# Allegro board A523-EVB-AXP717C-LPDDR4-4X-32X1-V1-0.brd (continued)
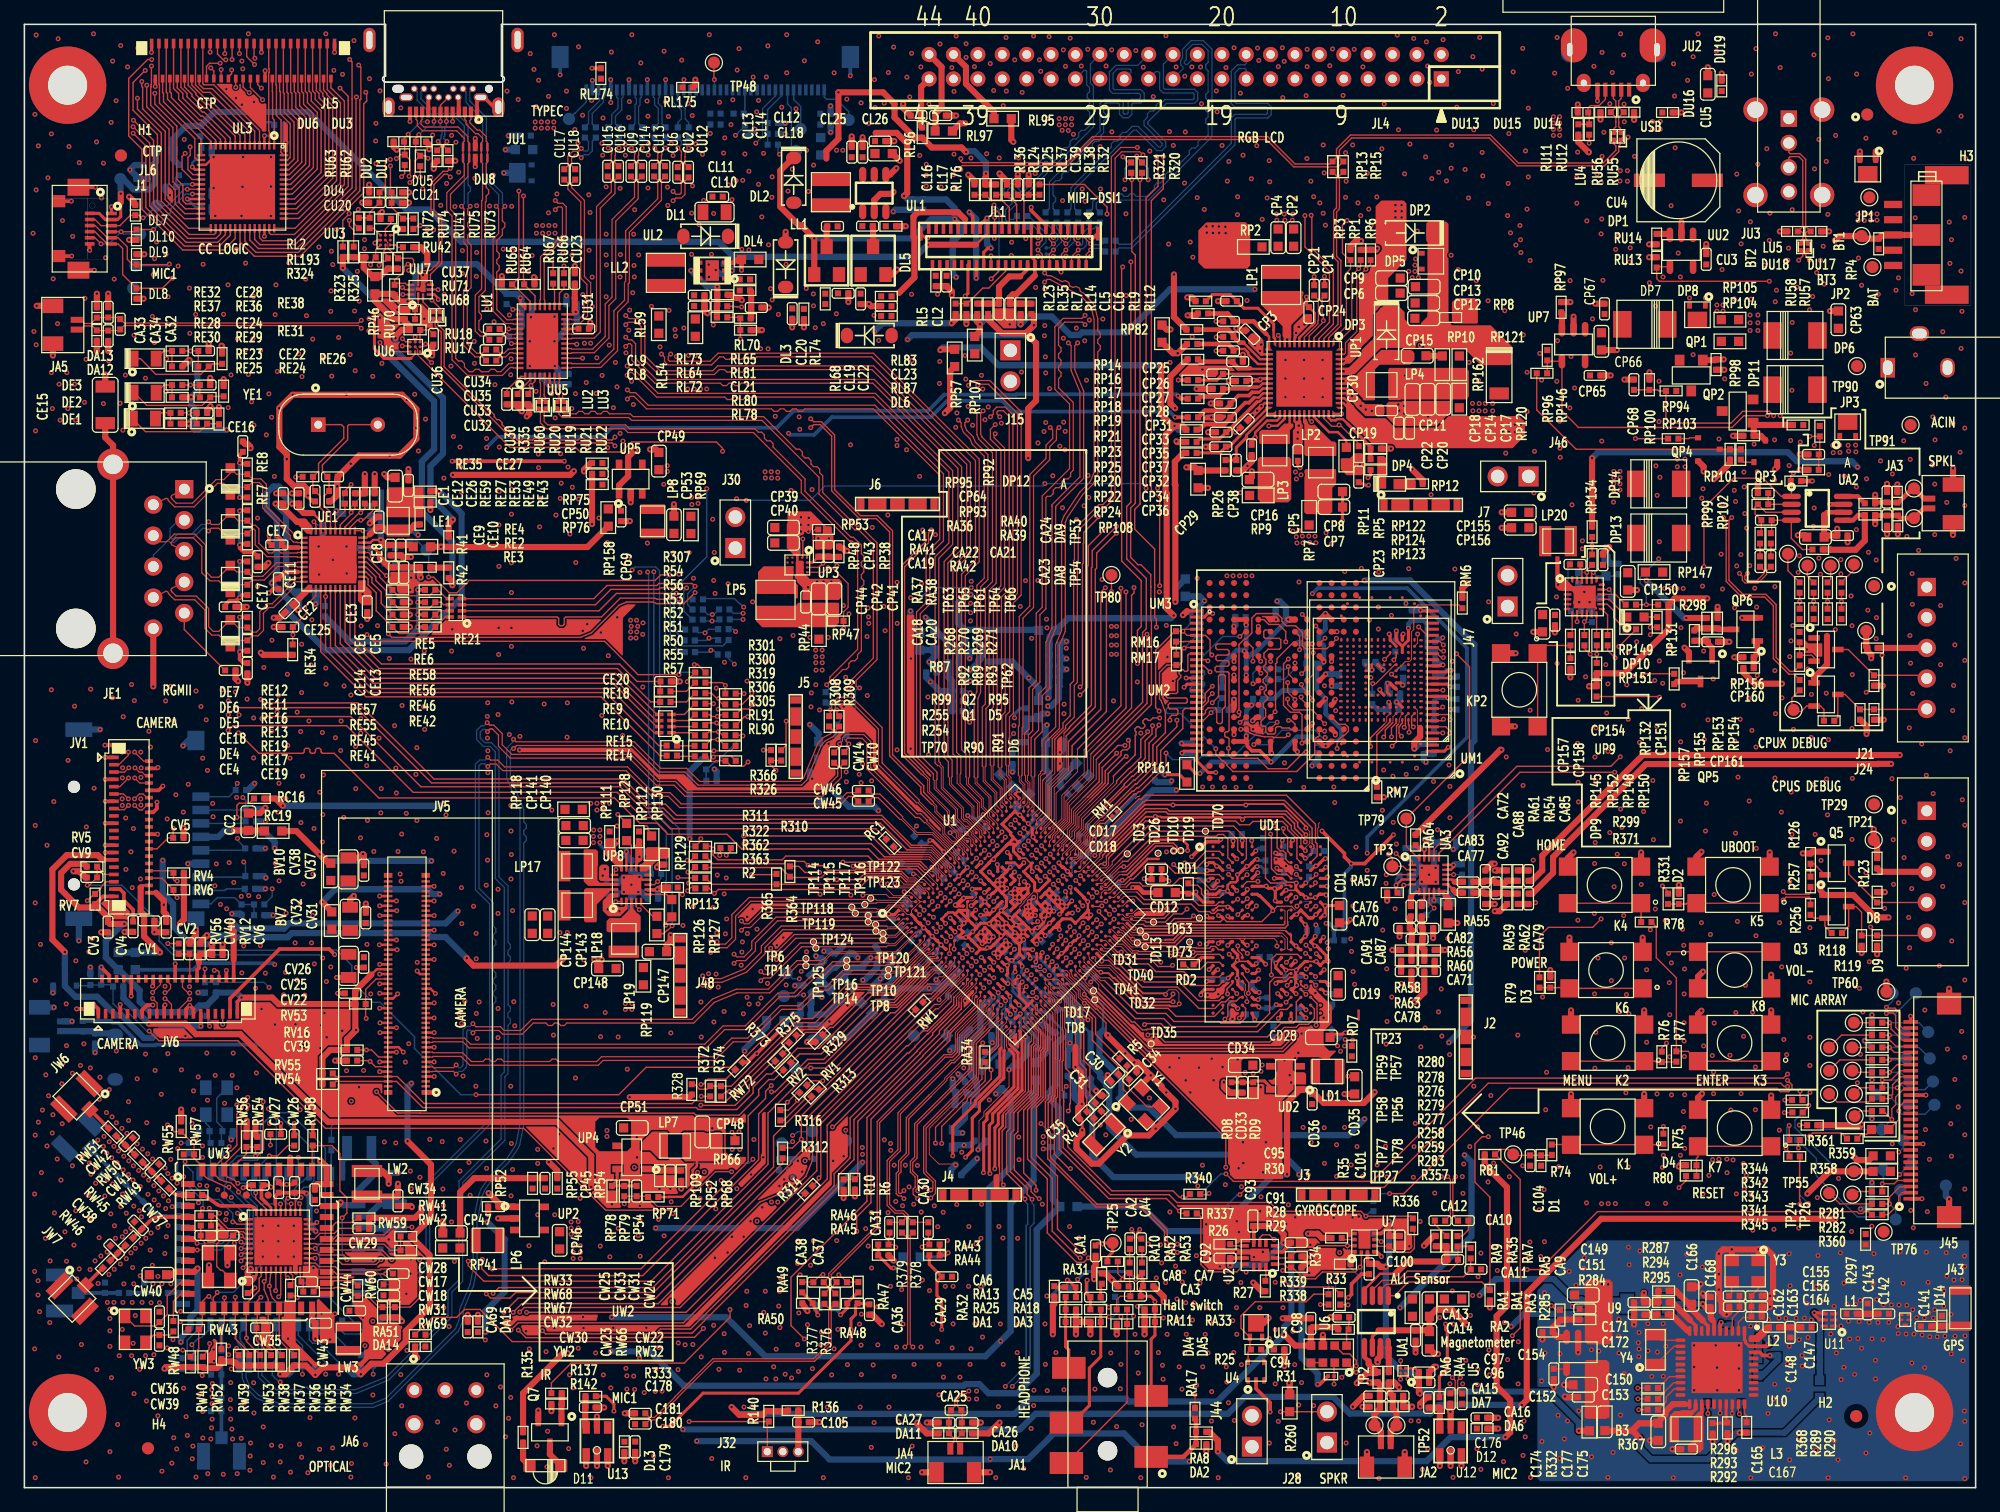
[diagram p0: board, top side]
## Routing (per net, layer and track width the routed paths; a pad name or vN(x,y) marks a point on that pad's centre or on a via; arc(x,y) is an arc through that point) (continued)
N18077260: length 5.9
  TOP w0.114: UM1.H6 111.99,62.81 110.9,61.72 RM7.2
N18077723: length 2.7
  TOP w0.114: UM2.K6 v1(104.18,67.63)
  BOTTOM w0.114: v1(104.18,67.63) 104.18,67.15 103.33,66.29 RM2.2
N18078189: length 2.3
  TOP w0.114: v1(103.63,67.34) 103.66,67.31 103.66,66.72 UM2.J6
  BOTTOM w0.114: v1(103.63,67.34) 103.4,67.11 RM3.2
N18082854: length 4.3
  TOP w0.508: RL96.2 73.53,111.63 CL25.2 73.53,114.87 JL4.43
N18082873: length 6.9
  TOP w0.508: JL4.44 75.21,116.51 75.21,113.17 74.71,112.68 CL26.1 74.71,111.28 RL97.1
N18082895: length 6.6
  TOP w0.508: JL4.42 77.21,116.51 77.21,115.13 79.5,112.83 RL95.1
N18083739: length 3
  BOTTOM w0.114: TP47.1 45.14,112.73 45.16,112.73 46.08,113.64 JL2.1
N18084734: length 3.5
  BOTTOM w0.102: CL51.2 54.47,111.96 54.18,112.25 54.18,113.08 53.48,113.78 53.48,113.92 53.58,114.02 JL2.16
N18084736: length 3.5
  BOTTOM w0.102: CL50.2 53.58,111.96 53.88,112.25 53.88,112.95 53.17,113.65 53.17,113.92 53.08,114.02 JL2.15
N18084768: length 3.6
  BOTTOM w0.102: CL42.2 46.26,111.85 46.26,112.83 47.17,113.74 47.17,113.92 47.08,114.02 JL2.3
N18084771: length 3.6
  BOTTOM w0.102: JL2.4 47.58,114.02 47.48,113.92 47.48,113.62 46.56,112.7 46.56,111.85 CL43.2
N18084774: length 3.4
  BOTTOM w0.102: CL44.2 48.16,111.85 48.16,112.6 48.67,113.11 48.67,113.92 48.58,114.02 JL2.6
N18084777: length 3.4
  BOTTOM w0.102: JL2.7 49.08,114.02 48.98,113.92 48.98,112.99 48.47,112.47 48.47,111.85 CL45.2
N18084780: length 3.3
  BOTTOM w0.102: JL2.9 50.08,114.02 50.17,113.92 50.17,113.5 50.07,113.39 50.07,111.85 CL46.2
N18084783: length 3.3
  BOTTOM w0.102: CL47.2 50.37,111.85 50.37,113.26 50.48,113.37 50.48,113.92 50.58,114.02 JL2.10
N18084786: length 3.3
  BOTTOM w0.102: JL2.12 51.58,114.02 51.67,113.92 51.67,113.4 51.97,113.1 51.97,111.85 CL48.2
N18084789: length 3.3
  BOTTOM w0.102: JL2.13 52.08,114.02 51.98,113.92 51.98,113.53 52.28,113.23 52.28,111.85 CL49.2
N18084794: length 5
  BOTTOM w0.254: JL2.11 v1(51.08,115.47) ; JL2.17 v1(54.08,115.47) ; JL2.14 v1(52.58,115.47)
  BOTTOM w0.305: JL2.2 v1(46.58,115.41) ; JL2.8 v1(49.58,115.47) ; JL2.5 v1(48.08,115.47)
N18085570: length 2.3
  TOP w0.114: v1(56.58,115.47) 56.54,115.5 TP48.1
  BOTTOM w0.114: JL2.22 v1(56.58,115.47)
N18095044: length 3.2
  TOP w0.076: 79.69,36.86 79.69,37.67 U1.AF1
  TOP w0.102: 79.38,35.99 79.69,36.31 79.69,36.86
  TOP w0.114: RA34.2 79.14,35.74 79.38,35.97 79.38,35.99
N18107499: length 9.5
  TOP w0.114: RA5.1 118.59,17.9 CA9.1 117.99,17.3 113.39,17.3 112.77,16.68 111.67,16.68 111.18,16.19 UA1.2
N18107551: length 1.9
  TOP w0.114: RA7.1 117.9,20.63 118.41,21.14 CA10.1
N18107553: length 10.9
  TOP w0.114: RA5.2 118.46,19.78 RA7.2 117.54,19.74 CA11.2 117.54,18.46 116.84,17.75 113.4,17.75 112.64,17 111.34,17 110.53,16.19 UA1.3
N18107555: length 10.4
  TOP w0.203: UA1.4 109.88,16.25 111.17,17.54 112.41,17.54
  TOP w0.508: RA9.1 RA35.2 116.61,18.78 CA11.1 116.54,18.54 113.42,18.54 112.41,17.54
N18107561: length 1.6
  TOP w0.114: CA12.1 115.65,21.6 RA35.1
N18107664: length 24.7
  TOP w0.381: 110.23,10.36 109.88,10.71 UA1.5
  TOP w0.508: 110.9,9.47 110.83,9.4 110.08,9.4 v1(109.25,8.57) ; 110.9,9.47 RA6.1 ; 110.9,9.47 110.23,10.14 110.23,10.36 ; RA9.2 115.57,20.64 v1(114.76,19.84)
  L3 w0.508: v1(107.85,19.28) 108.72,19.28 108.94,19.51 112.42,19.51 112.69,19.23 114.16,19.23 v1(114.76,19.84)
  L4 w0.508: v1(107.85,19.28) 108.18,18.95 108.18,16.05 107.98,15.85 107.98,9.89 108.58,9.28 108.58,9.24 v1(109.25,8.57)
N18107676: length 2
  TOP w0.508: UA1.8 111.87,11.45 RA4.1
N18108402: length 2.8
  TOP w0.114: UA2.2 142.99,80.64 RA41.1 CA17.1
N18108444: length 1.1
  TOP w0.114: RA37.1 CA18.1
N18108466: length 5.7
  TOP w0.114: RA37.2 142.42,78.38 CA19.2 141.91,79.85 141.91,80.41 RA41.2 142.79,79.99 UA2.3
N18108468: length 6.3
  TOP w0.114: RA42.1 145.8,76.94 144.88,77.85 144.88,79.33 UA2.4 143.27,79.34 CA19.1 143.27,78.34 RA38.2
N18108474: length 1.1
  TOP w0.114: RA38.1 CA20.1
N18108577: length 7.8
  TOP w0.381: UA2.5 149.95,79.34 150.37,79.76 RA39.1
  TOP w0.508: RA39.1 150.91,77.67 150.15,76.91 148.1,76.91 148.07,76.94 RA42.2
N18108579: length 2
  TOP w0.381: RA40.1 150.34,81.29 UA2.8
N18110855: length 4
  TOP w0.254: v1(71.27,18.01) 71.05,18.01 RA45.1 RA46.1
  BOTTOM w0.254: CA28.2 72.04,18.42 71.63,18.01 v1(71.27,18.01)
N18110859: length 4.1
  TOP w0.254: RA43.1 RA44.1 75.54,19.05 v1(75.74,19.25)
  BOTTOM w0.254: v1(75.74,19.25) 75.36,19.25 75.03,18.92 CA28.1
N18111147: length 3
  TOP w0.254: v1(65.06,14.15) RA50.1 64.64,15.15 RA49.1
  BOTTOM w0.254: v1(65.06,14.15) 65.06,14.25 65.05,14.26 65.05,14.84 CA35.2
N18111149: length 3.3
  TOP w0.254: RA47.1 68.32,16.01 67.47,15.16 RA48.1 67.47,14.71 v1(66.93,14.17)
  BOTTOM w0.254: CA35.1 66.48,14.69 66.93,14.24 v1(66.93,14.17)
N18153999: length 1.2
  TOP w0.114: U7.1 109.08,18.66 R34.2
N18154006: length 1.1
  TOP w0.114: R33.1 108.15,20.34 U7.11
N18154026: length 1.6
  TOP w0.114: v1(111.25,20.18) 111.19,20.18 111.03,20.34 U7.6
  BOTTOM w0.114: R36.1 110.64,20.73 111.19,20.18 v1(111.25,20.18)
N18154494: length 4.4
  BOTTOM w0.508: J9.1 4.76,37.44 R32.2 5.63,37.42 C99.1 7.32,37.25 D7.2
N18154896: length 1
  TOP w0.114: U6.4 U6.3
N18154924: length 2.4
  TOP w0.114: C95.1 108.63,13.44 108.58,13.39 R30.1 108.58,12.9 108.41,12.74 U6.8
N18156054: length 2.7
  TOP w0.114: TP63.1 144.6,75.2 R268.1
N18156189: length 1.5
  TOP w0.114: R269.1 148.11,74.49 TP61.1
N18156196: length 1.6
  TOP w0.114: R270.1 146.2,74.75 TP65.1
N18156203: length 1.9
  TOP w0.114: TP64.1 150.01,75.25 R271.1
N18157235: length 1.6
  TOP w0.114: R276.1 TP57.1
N18157238: length 1.7
  TOP w0.114: TP56.1 150.01,34.06 R277.1
N18157241: length 3.9
  TOP w0.114: TP59.1 149,37.11 R278.1
N18157244: length 3.9
  TOP w0.114: TP58.1 148.87,35.08 R279.1
N18157733: length 1.5
  TOP w0.114: R280.1 TP23.1
N18157736: length 3.9
  TOP w0.114: R282.1 148.87,23.27 TP24.1
N18157739: length 1.7
  TOP w0.114: TP26.1 150.14,24.28 R281.1
N18157742: length 1.6
  TOP w0.114: R283.1 150.5,30.89 TP27.1
N18174140: length 2.4
  TOP w0.508: C141.1 157.23,13.23 D14.2 157.24,13.23 J43.2
N18174202: length 1.8
  TOP w0.508: L1.1 C143.1 152.03,14.25 C142.2
N18174264: length 7.7
  TOP w0.254: U11.5 147.19,13.76 146.77,14.17 v1(146.77,14.33) 147.49,14.33 U11.4
  BOTTOM w0.508: v1(146.77,14.33) 147.22,13.89 C144.1 C145.1 C146.1 147.22,8.81 B1.1
N18174330: length 1.8
  TOP w0.508: L2.1 143.89,13.15 C148.1 C147.2
N18174394: length 4.2
  TOP w0.508: U9.3 125.73,12.35 C154.1 125.33,13.13 R285.1 125.96,13.77 126.5,13.77 126.52,13.79 126.99,13.79 127.01,13.77 R284.1
N18174477: length 1.1
  TOP w0.114: U9.4 125.43,9.73 C152.1
N18174542: length 1.2
  TOP w0.114: C162.2 140,15.94 Y3.3
N18174693: length 4.7
  TOP w0.305: v1(143.12,10.84) 142.55,10.84 142.29,11.1 U10.38
  BOTTOM w0.508: v1(143.12,10.84) 143.8,10.84 C159.2 143.81,10.49 142.5,9.19 B2.2
N18174727: length 6.2
  TOP w0.254: U10.39 141.42,11.6 141.12,11.89 141.12,12.04 141.04,12.12 U10.1
  TOP w0.305: U10.39 142.87,11.6 v1(143.02,11.75)
  BOTTOM w0.508: B2.1 142.21,10.7 C160.2 142.22,11.63 C161.2 142.65,12.42 143.02,12.06 v1(143.02,11.75)
N18174889: length 5.1
  TOP w0.305: 137.6,13.71 138.04,13.26 U10.7
  TOP w0.508: R287.2 135.41,16.13 136.5,15.05 C166.2 136.7,14.63 137.29,14.03 137.29,14.03 137.6,13.72 137.6,13.71
N18174923: length 3
  TOP w0.305: 137.27,5.93 137.54,6.21 U10.23
  TOP w0.508: 137.36,4.9 L3.1 137.27,3.73 C167.2
N18174933: length 1.7
  TOP w0.305: U10.22 137.04,6.45 136.69,6.1
  TOP w0.508: L3.2 135.27,5.65
N18174967: length 3.5
  TOP w0.305: 138.43,13.73 138.54,13.62 U10.6
  TOP w0.508: v1(137.62,15.06) 137.89,14.79 C168.1 138.28,13.88 138.43,13.73
  BOTTOM w0.508: R288.1 v1(137.62,15.06)
N18175003: length 1.5
  TOP w0.305: v1(139.13,13.55) 139.13,13.5 139.04,13.41 U10.5
  BOTTOM w0.305: C169.1 139.32,13.36 v1(139.13,13.55)
N18175017: length 1.7
  TOP w0.114: U10.24 v1(138.04,6.08)
  BOTTOM w0.114: v1(138.04,6.08) 138.01,6.11 C170.1
N18175058: length 2.8
  TOP w0.254: U10.27 139.54,5.43 R289.2 139.61,5.29 R368.2
N18175060: length 1.6
  TOP w0.114: U10.30 141.04,6.05 141.23,5.87 R290.2
N18175080: length 1.8
  TOP w0.114: v1(140.63,6.04) 140.54,6.13 U10.29
  BOTTOM w0.114: R291.2 140.76,6.25 140.63,6.12 v1(140.63,6.04)
N18175116: length 2.8
  TOP w0.114: R292.2 134.63,7.06 134.63,7.44 135.29,8.1 U10.19
N18175118: length 2.4
  TOP w0.114: R293.2 133.95,7.31 135.24,8.6 U10.18
N18175146: length 3.4
  TOP w0.305: U10.9 137.04,13.28 136.58,13.74
  TOP w0.508: 136.58,13.74 135.11,15.21 134.86,15.21 R294.2
N18175148: length 2.3
  TOP w0.305: U10.10 136.4,12.85
  TOP w0.508: 136.4,12.85 135.05,14.2 R295.2
N18175196: length 1.1
  TOP w0.508: R295.1 133.88,14.18 C172.1
N18175216: length 2.2
  TOP w0.114: R296.2 134.88,9.1 U10.17
N18190806: length 10
  TOP w0.114: KP2.3 KP2.1 124.72,69.07 RP145.1 DP9.2
N18190986: length 1.3
  TOP w0.114: CP154.1 127.58,75.42 127.71,75.28 UP9.22
N18191047: length 2.7
  TOP w0.114: DP10.2 129.94,72.85 UP9.15
N18191051: length 1.1
  TOP w0.114: DP10.1 133.47,71.4 133.48,71.4 RP131.2
N18191138: length 2.2
  TOP w0.114: UP9.21 v1(128.11,75.06) 128.11,75.24 RP132.2
  BOTTOM w0.114: CP159.1 127.46,75.06 v1(128.11,75.06)
N18191152: length 10.2
  TOP w0.114: RP132.1 v1(128.55,77.24) RP134.2 ; UP9.8 v1(127.31,71.02)
  BOTTOM w0.114: v1(127.31,71.02) 127.31,71.4 RP133.2 126.57,72.14 126.57,75.77 126.92,76.12 128.19,76.12 128.55,76.48 v1(128.55,77.24)
N18191222: length 2.5
  TOP w0.114: UP9.10 128.11,71.22 v1(127.91,71.02) RP152.1
  BOTTOM w0.114: v1(127.91,71.02) 127.96,70.97 RP135.2
N18191243: length 1.4
  TOP w0.114: UP9.17 v1(129.95,73.65)
  BOTTOM w0.114: v1(129.95,73.65) 130.12,73.48 RP136.2
N18197385: length 3
  BOTTOM w0.508: LW4.2 28.63,21.25 CW21.2 28.52,21.36 UW1.29
N18197390: length 4.5
  BOTTOM w0.508: LW1.2 28.46,26.92 28.81,26.57 CW16.2 27.39,24.39 UW1.26
N18197394: length 2.3
  BOTTOM w0.508: LW1.1 26.46,27.22 26.06,26.82 UW1.25
N18197400: length 3.4
  BOTTOM w0.508: UW1.28 28.14,22.26 29.13,23.25 LW4.1
N18197583: length 1.8
  BOTTOM w0.114: RW11.2 28.76,19.53 28.73,19.56 UW1.31
N18198312: length 3.3
  BOTTOM w0.305: CW8.1 CW12.2 JW3.3
N18198325: length 2.1
  BOTTOM w0.305: RW6.2 16.16,11.25 UW1.48
N18198336: length 2.2
  BOTTOM w0.305: RW6.1 CW11.2 CW8.2
N18198395: length 2.1
  BOTTOM w0.305: RW2.1 CW5.1 CW3.2
N18198403: length 2.8
  BOTTOM w0.305: RW2.2 10.69,22.5 arc(11.12,22.32) 11.58,22.26 UW1.9
N18198405: length 1.2
  BOTTOM w0.305: RW3.2 UW1.2
N18198409: length 2.3
  BOTTOM w0.305: CW4.2 CW6.2 RW3.1
N18198425: length 3.2
  BOTTOM w0.305: JW1.3 CW1.1 CW3.1
N18198441: length 2.5
  BOTTOM w0.114: RW8.2 15.18,28.35 CW15.1 15.18,29.57 14.87,29.88 YW1.3
N18198445: length 3.3
  BOTTOM w0.305: JW2.3 CW2.2 CW4.1
N18198460: length 5.1
  BOTTOM w0.114: RW7.2 16.15,29.15 CW7.1 16.24,29.53 15.77,30 15.77,31.94 YW1.1
N18219074: length 4.8
  TOP w0.114: RU11.1 RU12.1 128.31,112.69 DU13.2 128.22,113.15 128.41,113.33 129.12,113.33 129.64,113.85 JU2.4
N18219316: length 1.1
  TOP w0.508: UU2.3 134.86,102.81 RU14.2
N18220262: length 5.7
  BOTTOM w0.114: JC1.9 15.31,47.87 15.82,48.39 17.24,48.39 DU20.2 18.82,47.82 RC20.2 RC15.1
N18223657: length 1.1
  TOP w0.114: CA2.2 90.63,19.55 RA52.1
N18223660: length 1.1
  TOP w0.114: RA53.1 91.64,19.52 CA4.2
N18228273: length 18.5
  TOP w0.114: v1(65.47,33.36) 64.52,33.36 RV1.1 ; v1(77.28,43.8) 77.28,43.87 U1.N5
  L4 w0.114: v1(77.28,43.8) 77.28,43.32 77.06,43.1 75.72,43.1 72.09,39.47 72.09,39.23 66.22,33.36 v1(65.47,33.36)
N18228401: length 16.3
  TOP w0.076: U1.L2 75.22,43.46 74.96,43.2 74.48,43.2
  TOP w0.114: RV2.1 63.42,35.42 63.43,35.42 63.46,35.46 63.46,35.46 63.58,35.57 65.34,35.57 69.8,40.03 71.31,40.03 74.48,43.2
N18228701: length 3.5
  TOP w0.114: U1.R1 74.35,40.11 73.99,40.11 RW1.1
N18233774: length 5.4
  TOP w0.076: U1.T28 86.25,51.23 86.74,51.72 86.74,52.2 87.36,52.81 87.36,53.03
  TOP w0.114: 87.36,53.03 87.36,53.36 87.98,53.98 87.98,54.24 88.22,54.47 88.59,54.47 RM1.1
N18247943: length 1.7
  TOP w0.114: R258.1 150.52,32.79 TP78.1
N18247946: length 3.9
  TOP w0.114: TP77.1 148.64,31.62 151.21,31.62 R259.1
N18273638: length 3.8
  TOP w0.508: CA70.1 114.58,45.96 CA87.2 114.66,45.02 CA82.1 114.62,44.26 RA56.1 RA60.2
N18273672: length 3.8
  TOP w0.508: RA63.2 RA58.2 113.73,44.94 CA82.2 113.77,45.71 CA91.1 113.61,46.76 CA76.1
N18273714: length 0.9
  TOP w0.508: CA78.2 RA63.1
N18273716: length 0.9
  TOP w0.508: RA60.1 CA71.2
N18273751: length 3.7
  TOP w0.508: RA62.2 RA59.1 121.53,48.75 CA88.1 120.64,48.71 CA92.2 119.7,48.79 CA77.1
N18273767: length 3.8
  TOP w0.508: RA54.2 RA61.2 121.4,49.6 CA88.2 120.51,49.77 CA72.1 119.7,49.68 CA83.1
N18273783: length 0.9
  TOP w0.508: RA54.1 CA85.2
N18273785: length 0.9
  TOP w0.508: RA62.1 CA79.2
N18274335: length 3.1
  TOP w0.203: RA57.1 112.47,48.91 v1(112.47,49.4) 112.94,49.87 UA3.4
  BOTTOM w0.203: CA89.1 112.47,49.9 v1(112.47,49.4)
N18274347: length 2.4
  TOP w0.114: UA3.8 115.18,47.93 v1(115.6,47.52)
  BOTTOM w0.114: v1(115.6,47.52) 115.04,46.97 CA86.1
N18279815: length 1.1
  TOP w0.114: RU42.1 30.63,101.72 30.44,101.91 UU3.A3
N18279822: length 1.5
  TOP w0.114: UU3.B1 29.6,103.23 30.05,103.67 RU41.1
N18280499: length 1.6
  TOP w0.114: v1(40.06,96.62) 40.5,96.62 40.61,96.51 UU5.29
  BOTTOM w0.114: v1(40.06,96.62) 39.61,97.07 RU10.2
N18453310: length 2.5
  TOP w0.508: U12.6 116.06,6.52 R332.1 C174.1
N18453461: length 2.6
  TOP w0.508: U13.6 45.99,5.01 C178.1 46.01,6.59 R333.1
N18460548: length 2.5
  TOP w0.114: RU60.2 41.32,89.86 41.53,90.07 41.53,90.39 v1(41.54,90.39) 41.54,90.41 41.87,90.74 UU5.3
  BOTTOM w0.114: v1(41.54,90.39) 41.53,90.4 RU59.2
N18461013: length 1.9
  TOP w0.114: UU5.22 43.47,98.22 43.35,98.33 RU67.1
N18461022: length 2
  TOP w0.114: RU66.1 44.24,98.33 43.87,97.96 UU5.21
N18461799: length 1.9
  TOP w0.114: UU5.2 41.47,90.84 40.43,89.8 R335.2
N18462290: length 1.3
  TOP w0.114: UU5.35 v1(39.94,93.82)
  BOTTOM w0.114: RU61.1 39.75,94.01 v1(39.94,93.82)
N18464343: length 2.3
  TOP w0.114: UU5.1 40.7,91.14 39.54,89.98 CU30.2
N18464870: length 1.1
  TOP w0.203: UU5.17 44.89,95.02 44.92,95.05 CU31.2
N18505997: length 6.7
  TOP w0.114: R357.2 153.7,30.18 v1(153.7,30.89) 153.7,31.2 154.19,31.69 J45.17
  BOTTOM w0.114: v1(153.7,30.89) 153.95,30.63 155.85,30.63 TP103.1
N18506037: length 1.1
  BOTTOM w0.114: TP104.1 154.08,27.91 v1(153.7,27.53)
N18506054: length 1.3
  BOTTOM w0.114: v1(153.77,25.68) 154.66,26.57 TP105.1
N18513498: length 2.2
  TOP w0.114: CU36.2 33.19,94.94 RU68.1 32.44,94.92 UU6.C1
N18516675: length 2
  TOP w0.114: RU71.2 CU37.2 32.29,96.89 UU7.1
N18527306: length 1.7
  TOP w0.114: UP9.12 128.91,69.94 RP148.1
N18527353: length 2.4
  TOP w0.114: UP9.16 130.46,73.25 RP149.1
N18527380: length 2.3
  TOP w0.114: RP150.1 129.82,71.58 UP9.13
N18527406: length 3.2
  TOP w0.114: UP9.14 129.78,72.45 130.33,71.91 130.33,71.36 RP151.1
N18530784: length 3.3
  TOP w0.457: RP154.2 138.92,70.38 QP6.3
  TOP w0.508: RP154.2 RP153.1 137.1,70.47 RP155.2
N18530810: length 2.3
  TOP w0.457: CP160.1 142.1,68.39 QP6.1
  TOP w0.508: RP156.1 CP160.1
N18530858: length 2.6
  TOP w0.457: CP161.1 138.03,69.25 138.39,68.89 QP5.1
  TOP w0.508: CP161.1 137.95,69.45 RP155.1
N18530886: length 2.2
  TOP w0.457: QP5.3 135.49,66.11 RP157.2
N18615287: length 1.3
  TOP w0.114: UU3.A1 30.22,102.71 30.73,103.22 RU75.1
N18615290: length 1.1
  TOP w0.114: RU74.1 28.63,103.28 UU3.C1
N18672918: length 1.3
  BOTTOM w0.508: D15.2 134.84,15.06 R288.2
N18672921: length 3.8
  BOTTOM w0.508: D15.1 131.38,15.08 131.12,15.34 R370.1 128.63,14.46 R369.1
N18773287: length 3.5
  TOP w0.203: UL3.3 v1(19.68,110.87)
  BOTTOM w0.203: RL194.1 20.27,111.97 CL56.1 CL1.1 v1(19.68,110.87)
N18773435: length 3.7
  TOP w0.203: UL3.18 14,108.08 v1(13.77,108.3)
  BOTTOM w0.203: v1(13.77,108.3) 13.77,108.64 14.51,109.38 CL3.1 14.51,110.74 RL195.1
N18773479: length 3.2
  TOP w0.203: v1(13.78,106.88) UL3.21
  BOTTOM w0.203: v1(13.78,106.88) 13.77,106.89 12.83,106.89 12.62,106.68 CL58.1 12.44,107.39 RL3.1
N18773497: length 2.5
  TOP w0.203: UL3.24 v1(13.36,105.68)
  BOTTOM w0.203: CL57.1 14.01,105.03 v1(13.36,105.68)
N18883227: length 74.7
  TOP w0.076: U1.J1 74.03,44.16 73.05,43.19
  TOP w0.114: RV56.1 v1(11.76,44.62) ; v1(37.03,32.22) 48.73,32.22 50.98,34.47 57.91,34.47 58.83,35.39 59.19,35.39 59.81,36.01 59.82,36.01 62.27,38.46 64.65,38.46 67.47,41.29 71.15,41.29 73.05,43.19
  BOTTOM w0.114: v1(11.76,44.62) 12.32,44.06 25.27,44.06 25.29,44.08 25.59,44.08 25.8,43.87 26.85,42.82 26.85,41.52 28.58,39.79 29.16,39.79 31.99,36.97 31.99,36.01 35.78,32.22 v1(37.03,32.22)
N180837250: length 3.8
  BOTTOM w0.114: TP51.1 67.59,112.85 66.59,113.85 65.79,113.85 65.58,114.07 JL2.40
N180837255: length 3.5
  BOTTOM w0.114: TP50.1 63.65,113.26 63.08,113.83 JL2.35
N180837256: length 5.3
  BOTTOM w0.114: TP49.1 62.89,110.01 62.89,113.16 62.58,113.47 JL2.34

## Copper pours and planes (outline as drawn; the poured copper is in the pictures)
AGND on L3: 77.8,41.91 77.8,40.39 79.07,39.12 80.85,39.12 81.86,40.13 81.86,41.1 81.11,41.85 81.11,42.79 80.21,43.69 79.58,43.69
AVDD-LCD on TOP: 69.29,107.31 69.55,107.06 69.93,107.06 70.18,107.31 70.18,109.86 70.05,109.98 70.05,111.23 69.93,111.35 69.39,111.35 69.29,111.25
GND on TOP (solid shape): 43.51,29.62 43.53,29.61 43.54,29.6 46.09,27.06 46.1,27.04 46.1,27.02 46.1,24.7 46.09,24.67 46.07,24.65 46.05,24.65 46.03,24.65 41.15,29.53 41.14,29.56 41.14,29.58 41.14,29.6 41.17,29.62
GND on TOP (solid shape): 84.99,61.62 85.02,61.64 85.05,61.64 85.06,61.63 85.08,61.6 85.08,59.08 85.07,59.06 85.06,59.04 84.74,58.72 84.71,58.71 84.68,58.71 84.67,58.72 84.65,58.74 84.65,59.71 84.66,59.74 84.67,59.77 84.67,61.28 84.67,61.3 84.68,61.32
GND on TOP (solid shape): 13.03,37.67 13.05,37.66 13.07,37.65 13.79,36.92 13.81,36.9 13.81,36.87 13.8,36.85 13.77,36.84 11.12,36.84 11.1,36.84 11.09,36.85 10.57,37.37 10.56,37.39 10.57,37.47 10.55,37.55 10.55,37.57 10.61,37.65 10.63,37.66 10.65,37.67
GND on TOP (solid shape): 62.97,45.57 63,45.57 63.01,45.54 63.02,45.53 63.01,45.5 61.71,44.2 61.7,44.19 61.68,44.18 61.55,44.18 61.52,44.21 61.52,44.23 61.48,44.39 61.37,44.51 61.36,44.52 61.35,44.53 61.34,44.62 61.34,44.65 61.35,44.67 62.24,45.56 62.26,45.57 62.28,45.57
GND on TOP (solid shape): 77.77,40.82 77.79,40.83 77.81,40.84 77.84,40.83 77.86,40.83 77.88,40.81 77.88,40.72 77.88,40.7 77.87,40.68 77.57,40.38 77.55,40.36 77.55,40.34 77.55,39.86 77.55,39.84 77.54,39.82 77.1,39.38 77.07,39.37 77.04,39.37 77.03,39.38 77.01,39.4 77.01,39.75 77.01,39.79 76.99,39.84 76.99,40.02 76.99,40.04 77,40.06
GND on TOP (solid shape): 50.07,72.44 50.09,72.43 50.11,72.41 50.12,72.39 50.11,72.36 49.09,71.34 49.08,71.32 49.07,71.3 49.07,68.3 49.06,68.27 49.04,68.25 49.03,68.25 49,68.25 47.67,69.58 47.66,69.59 47.64,69.59 46,69.59 45.96,69.6 45.95,69.63 45.94,69.65 45.96,69.68 46.6,69.94 46.62,69.96 48.88,72.22 48.89,72.23 49.4,72.44 49.42,72.44
GND on TOP (solid shape): 80.21,30.64 80.23,30.66 80.26,30.65 80.28,30.65 80.3,30.62 80.3,29.66 80.29,29.64 80.28,29.62 80,29.34 79.99,29.32 79.99,29.3 79.99,26.25 79.97,26.21 79.94,26.19 79.92,26.19 79.89,26.21 79.87,26.28 79.83,26.36 79.83,29.39 79.84,29.41 79.85,29.42 80.09,29.67 80.11,29.69 80.11,29.7 80.11,30.52 80.11,30.54 80.12,30.56
GND on TOP (solid shape): 93.97,69.61 93.99,69.63 94.02,69.62 94.04,69.62 94.05,69.59 94.05,69.05 94.07,69.02 94.11,69 94.22,69 94.26,68.99 94.27,68.95 94.27,68.75 94.26,68.71 94.22,68.69 94.13,68.69 94.09,68.68 94.08,68.64 94.08,67.7 94.07,67.67 94.03,67.65 93.63,67.65 93.61,67.65 93.6,67.64 93.03,67.07 93,67.05 92.97,67.06 92.96,67.06 92.94,67.09 92.94,68.57 92.95,68.59 92.96,68.6
GND on TOP (solid shape): 22.71,22.17 22.74,22.16 22.76,22.12 22.76,21.94 22.76,21.92 22.79,21.88 22.79,18.29 22.77,18.25 22.74,18.24 22.47,18.24 22.43,18.22 22.42,18.19 22.42,17.51 22.4,17.48 22.37,17.46 22.18,17.46 22.18,17.48 22.04,17.62 22.03,17.64 22.02,17.66 22.02,18.19 22.01,18.22 21.97,18.24 18.9,18.24 18.87,18.25 18.85,18.29 18.85,22.12 18.87,22.16 18.9,22.17
GND on TOP (solid shape): 62.69,47.91 62.71,47.9 62.72,47.89 62.85,47.76 62.86,47.74 62.86,47.71 62.86,47.69 62.83,47.68 60.61,47.68 60.59,47.67 60.57,47.66 59.34,46.43 59.33,46.42 59.31,46.42 59.16,46.42 59.13,46.45 59.13,46.47 58.93,46.77 58.58,46.71 58.54,46.7 58.51,46.71 58.49,46.75 58.5,46.79 58.51,46.8 59.6,47.89 59.62,47.9 59.63,47.91
GND on TOP (solid shape): 72.5,71.6 72.66,71.55 72.82,71.59 72.84,71.6 72.86,71.6 72.95,71.55 72.97,71.53 72.97,71.51 72.97,59.87 72.98,59.85 72.99,59.83 74.34,58.48 74.35,58.47 74.35,58.45 74.35,58.34 74.34,58.31 74.32,58.29 74.31,58.28 74.28,58.29 73.89,58.68 73.85,58.79 73.83,58.82 72.37,60.28 72.36,60.3 72.35,60.32 72.35,60.97 72.35,60.98 72.35,71.51 72.36,71.53 72.38,71.55 72.46,71.6 72.49,71.6
GND on TOP (solid shape): 80.42,96.72 80.74,96.72 80.8,96.72 81.26,96.72 81.29,96.7 81.31,96.67 81.31,96.3 81.3,96.25 81.3,95.4 81.32,95.3 81.36,95.21 81.36,95.2 81.36,95.17 81.31,95.09 81.29,95.07 81.27,95.06 80.33,95.06 80.31,95.06 80.29,95.07 79.42,95.95 79.4,95.97 79.4,95.99 79.4,96.25 79.4,96.3 79.4,96.67 79.41,96.7 79.45,96.72 79.91,96.72 79.96,96.72 80.29,96.72 80.29,96.72 80.42,96.72
GND on TOP (solid shape): 68.85,40.66 68.88,40.65 68.9,40.63 68.91,40.62 68.9,40.59 66.26,37.94 66.24,37.93 66.22,37.93 66,37.93 65.98,37.93 65.97,37.91 65.63,37.58 65.6,37.57 65.56,37.58 65.5,37.65 65.46,37.66 65.43,37.65 65.31,37.53 65.29,37.52 65.27,37.51 64,37.51 63.98,37.51 63.96,37.5 63.76,37.29 63.74,37.28 63.72,37.28 63.68,37.28 63.66,37.28 63.64,37.29 63.39,37.54 63.38,37.57 63.38,37.6 63.38,37.61 63.41,37.63 65.1,37.63 65.12,37.63 65.14,37.65 68.14,40.65 68.15,40.66 68.17,40.66
GND on TOP (solid shape): 7.73,48.21 7.75,48.2 7.77,48.19 7.83,48.13 7.84,48.1 7.92,47.87 8.14,47.76 8.16,47.75 8.62,47.29 8.63,47.28 8.64,47.26 8.64,46.85 8.62,46.82 8.58,46.8 8.57,46.8 8.54,46.77 8.54,46.65 8.53,46.63 8.51,46.61 8.43,46.56 8.4,46.56 8.39,46.56 8.3,46.6 8.2,46.61 7.29,46.61 7.25,46.62 7.24,46.66 7.24,46.91 7.23,46.93 7.22,46.94 6.3,47.87 6.28,47.9 6.3,47.94 6.55,48.19 6.57,48.2 6.59,48.21 7.34,48.21